# Altium PCB ovo.pcbdoc (part 2 of 3)
Units mil, origin at the board's own origin, x right, y up, seen from the top; angles counter-clockwise.
Board outline 8690 x 8044.71 mil, 6 copper layers (Top Layer, Inner1, Inner2, Inner3, 内层4, Bottom Layer); 83 components, 122 nets, 754 pads, 365 vias.
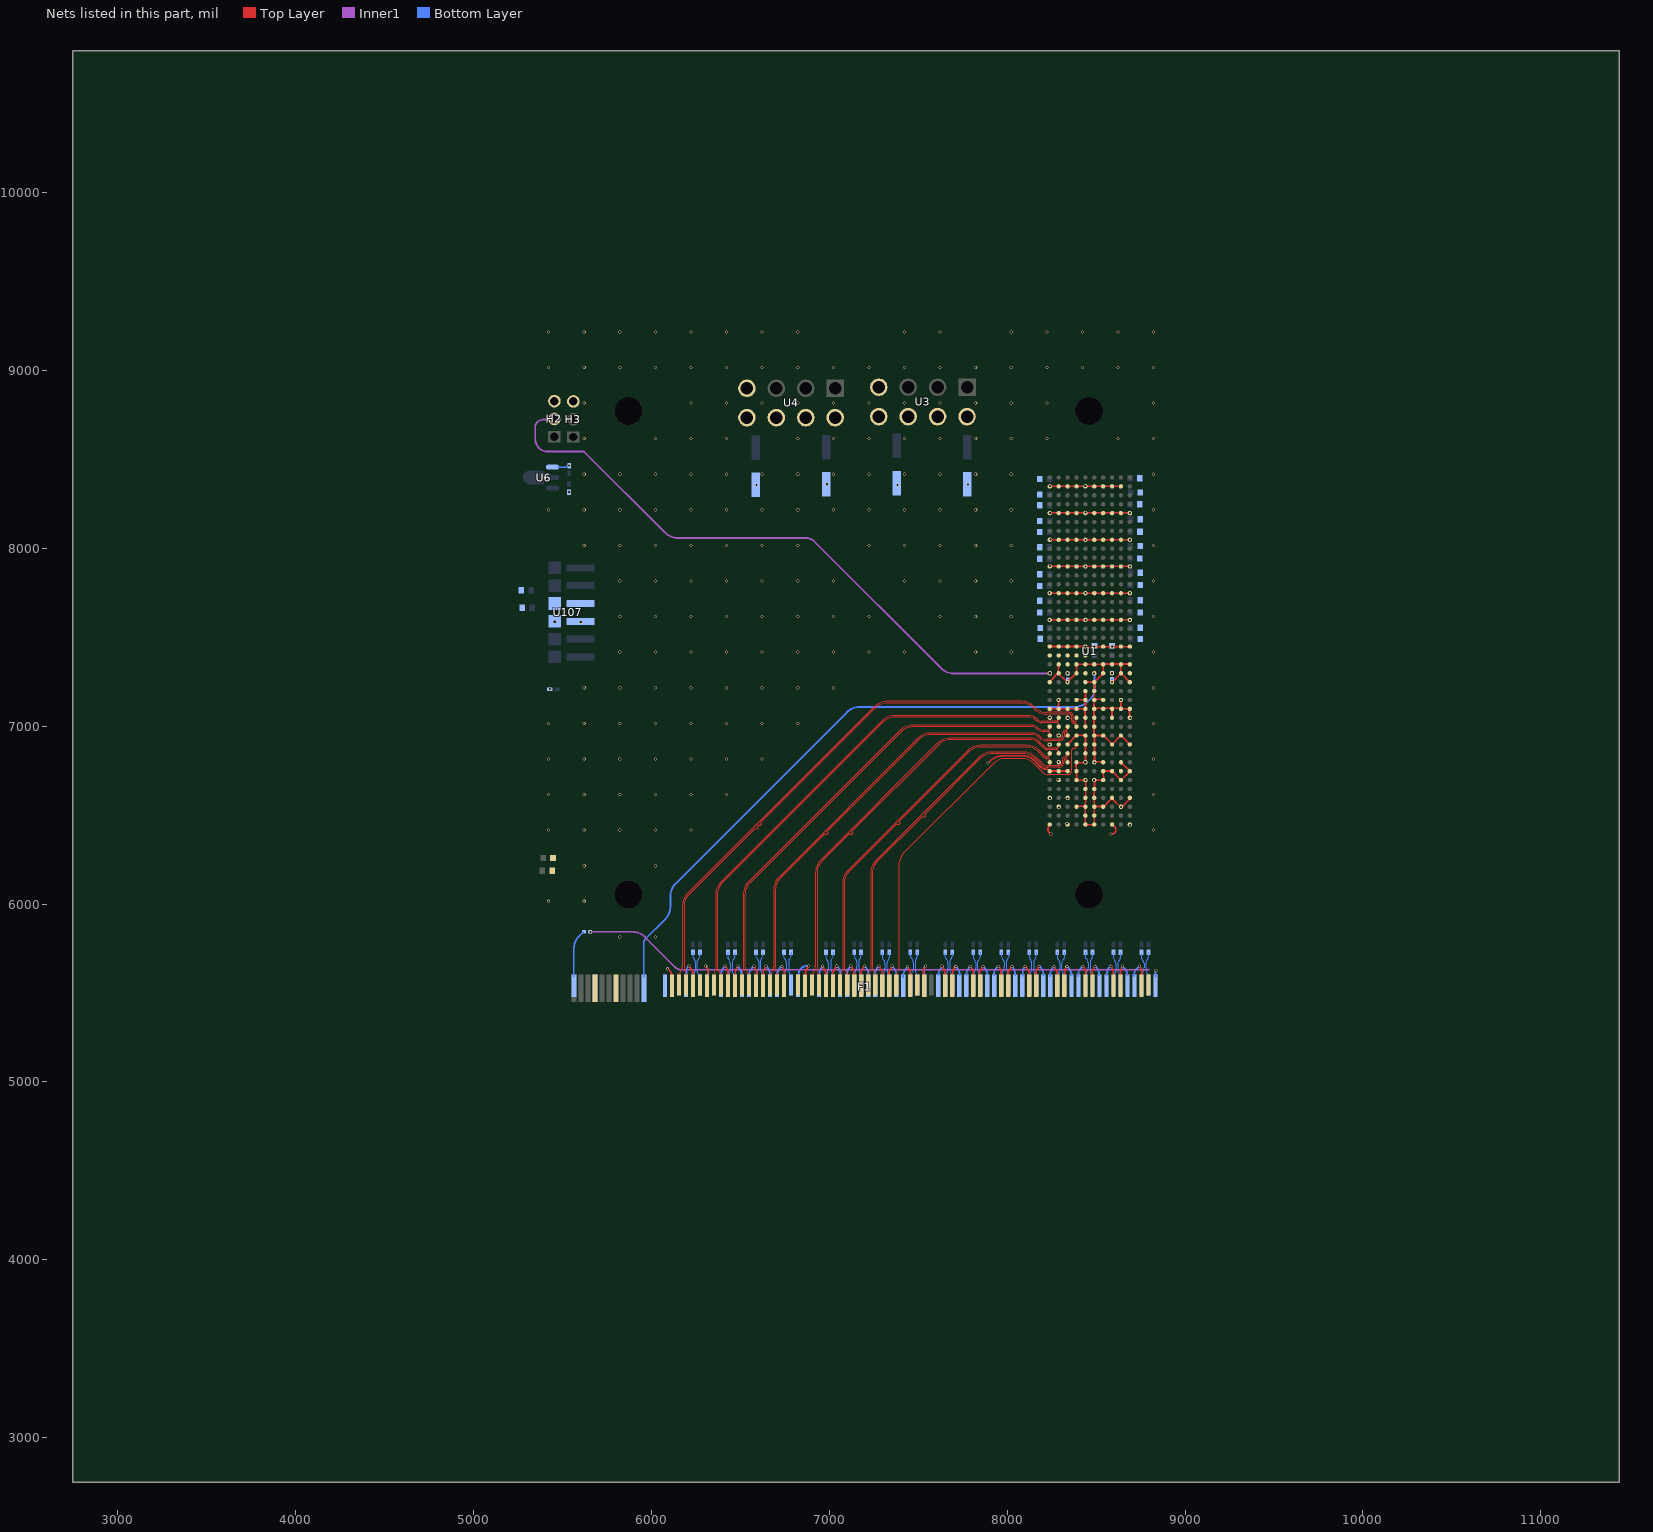
[diagram p5: the nets of this part, all layers, seen from the top]

## Via types
v1: diameter 17.7, hole 11.8, Top Layer to Bottom Layer, 365 vias

## Nets (pads, with @x,y where several pads share a name; then routed paths per layer and width w, separated by ;. In a path a pad name is that pad's centre, name@x,y a point inside that pad or via, vN(x,y) a via of type N, cw(c..) or ccw(c..) an arc to the next point about the centre after c; other vN are vias at no path point) (continued)
GND: C75.2 C77.2 C102.1 C103.1 C104.2 C105.2 C106.2 C107.2 C108.2 C109.2 C110.2 C111.2 C112.1 C113.1 F1.A4 F1.A12 F1.A15 F1.A18 F1.A20 F1.A23 F1.A24 F1.A27 F1.A28 F1.A31 F1.A34 F1.A37 F1.A38 F1.A41 F1.A42 F1.A45 F1.A46 F1.A49 F1.A51 F1.A54 F1.A55 F1.A58 F1.A59 F1.A62 F1.A63 F1.A66 F1.A67 F1.A70 F1.A71 F1.A74 F1.A75 F1.A78 F1.A79 F1.A82 F1.B4 F1.B7 F1.B13 F1.B16 F1.B18 F1.B21 F1.B22 F1.B25 F1.B26 F1.B29 F1.B32 F1.B35 F1.B36 F1.B39 F1.B40 F1.B43 F1.B44 F1.B47 F1.B49 F1.B52 F1.B53 F1.B56 F1.B57 F1.B60 F1.B61 F1.B64 F1.B65 F1.B68 F1.B69 F1.B72 F1.B73 F1.B76 F1.B77 F1.B80 H2.3 H3.3 R11.2 R12.2 U1.A1 U1.A4 U1.A7 U1.A10 U1.A13 U1.A14 U1.A17 U1.A21 U1.A24 U1.A27 U1.A30 U1.A33 U1.A36 U1.A39 U1.B3 U1.B6 U1.B7 U1.B8 U1.B11 U1.B14 U1.B15 U1.B18 U1.B19 U1.B21 U1.B24 U1.B27 U1.B30 U1.B33 U1.B36 U1.B39 U1.C1 U1.C4 U1.C7 U1.C10 U1.C13 U1.C14 U1.C17 U1.C21 U1.C24 U1.C27 U1.C30 U1.C33 U1.C36 U1.C39 U1.D3 U1.D6 U1.D7 U1.D8 U1.D11 U1.D14 U1.D15 U1.D18 U1.D19 U1.D21 U1.D24 U1.D27 U1.D30 U1.D33 U1.D36 U1.D39 U1.E1 U1.E2 U1.E3 U1.E4 U1.E5 U1.E6 U1.E8 U1.E9 U1.E10 U1.E11 U1.E12 U1.E13 U1.E14 U1.E15 U1.E16 U1.E17 U1.E19 U1.E21 U1.E24 U1.E27 U1.E30 U1.E33 U1.E36 U1.E39 U1.F1 U1.F2 U1.F3 U1.F4 U1.F5 U1.F6 U1.F8 U1.F9 U1.F10 U1.F11 U1.F12 U1.F13 U1.F14 U1.F15 U1.F16 U1.F17 U1.F19 U1.F21 U1.F24 U1.F27 U1.F30 U1.F33 U1.F36 U1.F39 U1.G3 U1.G6 U1.G7 U1.G8 U1.G11 U1.G14 U1.G15 U1.G18 U1.G19 U1.G21 U1.G24 U1.G27 U1.G30 U1.G33 U1.G36 U1.G39 U1.H1 U1.H4 U1.H7 U1.H10 U1.H13 U1.H14 U1.H17 U1.H19 U1.H21 U1.H24 U1.H27 U1.H30 U1.H33 U1.H36 U1.H39 U1.J3 U1.J6 U1.J8 U1.J11 U1.J14 U1.J15 U1.J18 U1.J19 U1.J21 U1.J24 U1.J27 U1.J30 U1.J33 U1.J36 U1.J39 U1.K1 U1.K4 U1.K7 U1.K10 U1.K13 U1.K14 U1.K17 U1.K19 U1.K21 U1.K24 U1.K27 U1.K30 U1.K33 U1.K36 U3.4 U3.5 U3.6 U3.7 U3.8 U4.4 U4.5 U4.6 U4.7 U4.8 U6.1 U107.3 U107.4 | length 12061.1
  Top Layer w10: v1@6096.55,5633.69 6103.38,5626.86 cw(c6072.3,5595.78) 6116.26,5595.78 F1.B13@6116.26,5592.92 ; v1@6210.68,5652.61 6214.75,5648.54 cw(c6161.47,5595.26) F1.B16@6236.83,5595.26 ; v1@6307.06,5650.66 cw(c6279.74,5623.34) 6318.37,5623.34 F1.B18@6318.37,5596.82 ; v1@6417.09,5650.66 cw(c6381.29,5614.87) 6431.92,5614.87 F1.B21@6431.92,5584.33 ; F1.B22@6473.28,5588.62 6473.28,5615.97 cw(c6521.24,5615.97) v1@6487.32,5649.88 ; v1@6576.29,5649.49 cw(c6538.61,5611.81) 6591.89,5611.81 F1.B25@6591.89,5590.96 ; F1.B26@6628.57,5597.6 6628.57,5604.47 cw(c6684.52,5604.47) v1@6644.96,5644.03 ; v1@6643.4,5642.86 6645.42,5644.88 ccw(c6642.75,5647.54) v1@6646.52,5647.54 ; v1@6735.48,5645.98 cw(c6706.28,5616.78) 6747.58,5616.78 F1.B29@6747.58,5596.04 ; F1.B32@6866.19,5595.65 6866.19,5605.38 cw(c6927.47,5605.38) v1@6884.14,5648.71 ; v1@6963.35,5647.15 cw(c6913.42,5597.23) 6984.03,5597.23 F1.B35@6984.03,5589.01 ; F1.B36@7020.32,5595.65 7020.32,5597.45 cw(c7092.25,5597.45) v1@7041.39,5648.32 ; v1@7120.98,5651.05 cw(c7074.83,5604.9) 7140.1,5604.9 F1.B39@7140.1,5592.53 ; F1.B40@7178.73,5596.04 7178.73,5605.77 cw(c7240.01,5605.77) v1@7196.68,5649.1 ; v1@7279.01,5650.27 cw(c7228.14,5599.41) 7300.08,5599.4 F1.B43@7300.08,5590.96 ; F1.B44@7336.36,5594.09 7336.36,5605.38 cw(c7397.64,5605.38) v1@7354.31,5648.71 ; v1@7438.2,5649.49 cw(c7392.99,5604.28) 7456.93,5604.28 F1.B47@7456.93,5596.04 ; F1.B49@7531.07,5592.53 7531.07,5626.33 cw(c7564.37,5626.33) v1@7540.82,5649.88 ; v1@7634.08,5649.88 cw(c7593.57,5609.38) 7650.85,5609.38 F1.B52@7650.85,5593.7 ; F1.B53@7694.55,5596.43 7694.55,5611.52 cw(c7743.84,5611.52) v1@7708.99,5646.37 ; v1@7793.27,5651.05 cw(c7751.82,5609.61) 7810.44,5609.61 F1.B56@7810.44,5597.6 ; F1.B57@7846.34,5596.04 7846.34,5603.66 cw(c7908.95,5603.66) v1@7864.67,5647.93 ; v1@7894.44,6792.39 7905.68,6803.63 cw(c7976.39,6732.92) 7976.39,6832.92 8092.52,6832.92 cw(c8092.52,6753.74) 8148.51,6809.73 8181.98,6776.26 ccw(c8228.82,6823.09) 8227.87,6756.87 U1.A7@8240.34,6744.4 ; v1@7953.64,5648.71 cw(c7923.49,5618.57) 7966.12,5618.57 F1.B60@7966.12,5593.7 ; F1.B61@8005.92,5594.09 8005.92,5602.49 cw(c8068.53,5602.49) v1@8024.26,5646.76 ; v1@8103.47,5649.1 8104.25,5648.31 cw(c8049.64,5593.7) F1.B64@8126.88,5593.7 ; F1.B65@8161.6,5592.92 8161.6,5604.05 cw(c8224.22,5604.05) v1@8179.94,5648.32 ; U1.A21@8234.48,7447.51 U1.E21@8440.08,7446.73 U1.K21@8693.92,7445.75 ; U1.A36@8238.45,8198.09 U1.K36@8693.21,8198.09 ; U1.A39@8238.45,8347.34 U1.J39@8640.53,8347.34 ; U1.A24@8239.03,7598.77 U1.K24@8691.45,7597.01 ; U1.A7@8239.17,6747.91 8336.14,6747.91 cw(c8336.14,6731.92) U1.C7@8347.45,6743.23 ; U1.A14@8239.23,7097.29 U1.B14@8288.98,7097.29 ; U1.A17@8239.23,7248.59 U1.B18@8285.83,7297.73 ; U1.A27@8239.62,7746.84 U1.K27@8692.03,7748.01 ; U1.A30@8240.79,7897.84 U1.K30@8692.03,7897.84 ; U1.A33@8240.79,8047.68 U1.K33@8688.52,8047.09 ; U1.A1@8240.86,6447.75 ccw(c8266.29,6422.31) 8230.32,6422.31 8230.32,6417.31 ccw(c8255.76,6417.31) 8237.77,6399.33 v1@8244.96,6392.15 ; v1@8262.66,5647.35 cw(c8213.21,5597.89) 8283.15,5597.89 F1.B68@8283.15,5592.92 ; U1.B18@8284.89,7298.63 U1.B18@8285.83,7297.73 ; U1.B18@8287.52,7299.5 U1.B19@8288.4,7346.91 ; U1.B14@8288.98,7102.56 U1.B15@8290.15,7153.48 ; U1.B14@8290.08,7097.29 8438.23,7097.29 U1.E12@8439.4,6997.21 ; F1.B69@8324.7,5594.09 8324.7,5619.33 cw(c8362.67,5619.33) v1@8335.82,5646.18 ; U1.C10@8341.66,6897.78 U1.D11@8388.48,6947.72 ; U1.D15@8387.6,7150.26 U1.E15@8436.76,7146.75 ; U1.D8@8387.7,6795.16 U1.D8@8387.75,6793.6 ; U1.D3@8388.93,6549.14 8426.62,6549.14 cw(c8426.62,6534.15) U1.E3@8437.21,6544.75 ; U1.D11@8390.82,6948.5 U1.E11@8441.15,6946.94 ; v1@8427.13,5649.1 cw(c8390.39,5612.36) 8442.34,5612.36 F1.B72@8442.34,5593.5 ; U1.E17@8438.52,7250.34 8487.77,7245.16 U1.F17@8487.68,7245.07 ; U1.E1@8439.98,6447.12 U1.E6@8442.32,6695.03 ; U1.E1@8440.76,6447.11 U1.F1@8489.54,6444.77 ; U1.E8@8440.76,6793.21 U1.D8@8387.75,6793.6 ; U1.E8@8440.76,6793.6 U1.E11@8441.54,6946.16 ; U1.E14@8441.15,7094.95 U1.E16@8441.15,7201.18 ; U1.E6@8442.32,6695.66 U1.E6@8442.32,6695.03 ; F1.B73@8478.04,5598.18 8478.04,5612.26 cw(c8526,5612.26) v1@8492.09,5646.18 ; U1.F8@8484.46,6798.54 U1.F8@8491.44,6798.63 ; U1.F15@8486.81,7151.14 U1.F15@8489.58,7151.05 ; U1.F17@8488.15,7245.51 U1.G18@8540.36,7295.12 ; U1.F14@8488.56,7100.22 U1.F14@8488.72,7100.22 ; U1.F3@8488.78,6547.32 U1.F3@8489.92,6547.32 ; U1.F4@8489.15,6595.77 U1.F5@8490.32,6645.33 ; U1.F14@8489.15,7097.29 U1.F8@8491.46,6798.63 ; U1.F15@8489.58,7151.09 U1.F17@8491.2,7247.71 ; U1.F4@8489.73,6596.73 U1.F3@8489.92,6547.32 ; U1.F1@8490.32,6444.77 U1.F2@8490.08,6496.73 U1.F3@8489.92,6547.32 ; U1.F11@8490.9,6947.17 8540.07,6947.75 U1.H10@8590.4,6899.18 ; U1.F5@8491.49,6648.06 U1.F6@8491.49,6695.54 ; U1.F6@8491.49,6696.05 U1.F6@8491.49,6695.54 ; U1.F8@8491.49,6795.29 U1.F8@8491.46,6798.63 ; U1.G3@8534.88,6547.32 U1.F3@8489.92,6547.32 ; U1.G3@8539.7,6543.8 8583.73,6587.83 ccw(c8572.74,6598.82) U1.H4@8588.28,6598.82 ; U1.G6@8540.26,6696.05 U1.F6@8491.49,6695.54 ; U1.G18@8540.36,7300.38 U1.G19@8540.36,7348.23 ; U1.G19@8540.36,7350.42 U1.G19@8540.36,7348.23 ; U1.G7@8540.39,6747.3 U1.G6@8543.51,6698.65 ; U1.G15@8541.24,7149.38 U1.F15@8489.58,7151.05 ; U1.G7@8542.47,6746.78 U1.H7@8591.38,6747.3 ; U1.G8@8542.99,6799.32 U1.F8@8491.46,6798.63 ; v1@8582.22,5648.52 cw(c8544.07,5610.37) 8598.03,5610.37 F1.B76@8598.03,5593.5 ; v1@8585.59,6394.49 8595.15,6394.49 ccw(c8595.15,6402.48) 8600.8,6396.83 8604.96,6400.99 ccw(c8590.97,6414.97) 8610.75,6414.97 ccw(c8575.43,6414.97) 8600.41,6439.95 U1.H1@8590.27,6450.09 ; U1.H17@8588.06,7245.24 ccw(c8588.06,7249) 8590.73,7246.34 U1.J18@8640.54,7296.16 ; U1.H4@8589.45,6598.82 ccw(c8603.58,6598.82) 8593.59,6588.83 U1.J3@8637.44,6544.97 ; U1.H14@8589.52,7098.46 U1.H13@8590.4,7049.3 ; U1.H7@8590.33,6747.04 8640.28,6696.05 8691.78,6746.52 U1.J8@8636.64,6799.84 ; U1.H10@8591.57,6896.83 U1.J11@8639.56,6948.92 ; F1.B77@8637.24,5592.92 8637.24,5622.6 cw(c8677.2,5622.6) v1@8648.95,5650.86 ; U1.J18@8638.4,7298.46 U1.J19@8638.4,7345.51 ; U1.J18@8639.18,7297.52 U1.J18@8640.54,7296.16 ; U1.J11@8639.56,6948.34 U1.K10@8690.48,6897.42 ; U1.J14@8639.56,7098.24 U1.F14@8488.72,7100.22 ; U1.J14@8639.56,7098.46 U1.J15@8640.44,7145.87 ; U1.J14@8640.44,7099.34 U1.K14@8691.36,7097.58 ; U1.J3@8640.96,6542.05 8686.22,6587.31 ccw(c8678.23,6595.31) U1.K4@8689.53,6595.31 ; U1.J18@8642.3,7297.91 U1.J18@8640.54,7296.16 ; U1.K13@8687.85,7046.67 U1.K14@8688.73,7096.71 ; U1.K17@8689.62,7247.07 U1.J18@8640.54,7296.16 ; U1.K17@8689.63,7247.07 cw(c8688.96,7246.41) U1.K17@8689.9,7246.41 ; U1.K19@8690.48,7348.67 U1.G19@8540.37,7348.23 ; v1@8742.59,5652.61 cw(c8705.85,5615.88) 8757.81,5615.88 F1.B80@8757.81,5593.5 ; U1.B18@8285.83,7297.73 8335.8,7250.34 8391.11,7295.99 8390.24,7347.79 U1.G19@8540.36,7348.23 ; U1.D8@8387.75,6793.6 8391.21,6694.49 U1.E6@8442.32,6695.03 ; U1.F14@8488.72,7100.22 U1.F15@8489.58,7151.05
  Bottom Layer w10: U6.1@5475.76,8453.95 5505.89,8453.95 ccw(c5505.89,8499.91) C103.1@5538.39,8467.41 ; F1.A15@6198.35,5597.92 6198.35,5624.67 cw(c6238.31,5624.67) v1@6210.05,5652.93 ; v1@6307.21,5653.52 cw(c6280.36,5626.67) 6318.33,5626.67 F1.A18@6318.33,5597.33 ; F1.A20@6390.9,5594.41 cw(c6470.03,5594.41) 6414.08,5650.36 v1@6414.31,5650.59 ; v1@6488.06,5648.84 cw(c6435.78,5596.56) 6509.71,5596.56 F1.A23@6509.71,5588.55 ; F1.A24@6549.51,5596.16 cw(c6613.1,5596.16) 6568.14,5641.12 v1@6578.78,5651.76 ; v1@6646.08,5652.35 cw(c6592.39,5598.65) 6668.32,5598.65 F1.A27@6668.32,5596.75 ; F1.A28@6707.54,5597.33 cw(c6776.77,5597.33) 6727.82,5646.29 v1@6733.29,5651.76 ; F1.A31@6829.86,5596.75 6829.86,5611.7 cw(c6865.83,5611.7) 6840.39,5637.13 cw(c6879.96,5597.57) 6879.96,5653.52 v1@6884.29,5653.52 ; F1.A34@6943.99,5600.9 cw(c7015.93,5600.9) v1@6965.06,5651.76 ; v1@7041.73,5655.27 cw(c6989.45,5602.99) 7063.39,5602.99 F1.A37@7063.39,5593.23 ; F1.A38@7100.84,5596.75 7100.84,5606.45 cw(c7160.79,5606.45) v1@7118.4,5648.84 ; v1@7201.51,5650.59 cw(c7156.29,5605.38) 7220.24,5605.38 F1.A41@7220.24,5597.92 ; F1.A42@7257.11,5595.58 7257.11,5598.07 cw(c7333.05,5598.07) v1@7279.35,5651.76 ; v1@7356.61,5648.25 cw(c7302.92,5594.56) 7378.85,5594.56 F1.A45@7378.85,5592.65 ; F1.A46@7415.14,5588.55 cw(c7491.44,5588.55) 7437.48,5642.51 v1@7441.47,5646.5 ; F1.A49@7533.36,5596.16 7533.36,5639.29 cw(c7549.35,5639.29) v1@7538.04,5650.59 ; F1.A51@7614.13,5600.26 cw(c7676.3,5600.26) 7632.34,5644.22 v1@7638.13,5650.01 ; v1@7710.7,5651.76 7713.18,5649.29 cw(c7661.22,5597.33) F1.A54@7734.7,5597.33 ; F1.A55@7771.57,5600.84 cw(c7842.22,5600.84) 7792.26,5650.8 v1@7794.98,5653.52 ; v1@7864.63,5650.59 7873.9,5641.32 cw(c7836.93,5604.36) 7889.21,5604.36 ; F1.A59@7926.08,5599.67 cw(c7991.08,5599.67) 7945.12,5645.63 v1@7950.66,5651.18 ; v1@8027.34,5650.01 cw(c7983.53,5606.2) 8045.48,5606.2 F1.A62@8045.48,5597.33 ; F1.A63@8087.62,5594.99 8087.62,5617.17 cw(c8131.58,5617.17) v1@8100.5,5648.25 ; v1@8183.02,5651.18 8183.15,5651.04 cw(c8131.2,5599.09) F1.A66@8204.67,5599.09 ; F1.A67@8240.96,5595.58 cw(c8315.85,5595.58) 8262.9,5648.53 v1@8263.2,5648.84 ; v1@8337.53,5650.01 8343.08,5644.46 cw(c8297.12,5598.5) F1.A70@8362.11,5598.5 ; v1@8339.99,7244.91 ccw(c8339.36,7245.54) 8340.25,7245.54 R12.2@8340.25,7257.92 ; F1.A71@8398.99,5594.99 cw(c8471.05,5594.99) 8420.09,5645.95 v1@8423.57,5649.42 ; v1@8495.56,5652.35 cw(c8441.86,5598.65) 8517.8,5598.65 F1.A74@8517.8,5597.92 ; F1.A75@8559.35,5597.92 8559.35,5598.76 cw(c8639.28,5598.76) v1@8582.76,5655.27 ; R11.2@8589.19,7263.64 8589.19,7248.51 ccw(c8590.96,7248.51) v1@8589.71,7247.25 ; v1@8645.97,5652.93 8659.03,5639.88 cw(c8617.06,5597.92) F1.A78@8676.41,5597.92 ; F1.A79@8712.69,5594.99 cw(c8774.87,5594.99) 8730.9,5638.95 v1@8742.54,5650.59 ; v1@8833.24,5628.37 cw(c8829.47,5624.6) 8834.8,5624.6 F1.A82@8834.8,5588.18
  other v1: 8835.58,5626.42 6091.93,5635.93 6734.46,5649.08 7793.44,5649.23 7866.02,5649.23 7950.73,5649.23 8027.41,5649.23 8263.27,5648.64 8335.85,5649.23 8426.56,5649.23 8493.87,5649.23 6577.6,5650.25 6644.91,5650.25 7440.89,5649.67 7540.97,5650.25 7634.83,5650.4 7712.09,5649.81 8101.74,5649.81 8180.16,5649.81 8582.83,5649.81 8647.8,5650.4 8743.78,5650.4 6415.48,5651.42 6488.06,5651.42 6884.87,5651.42 6963.3,5651.42 7042.9,5651.42 7121.91,5650.84 7198,5651.42 7280.52,5651.42 7354.85,5650.84 6306.62,5652.01 6212.39,5652.59 5823.8,5815.27 6023.8,5815.27 5423.8,6015.27 5623.8,6015.27 5623.8,6215.27 6023.8,6215.27 8245.54,6392.15 8585,6394.49 5423.8,6415.27 5623.8,6415.27 5823.8,6415.27 6023.8,6415.27 6223.8,6415.27 8823.8,6415.27 8690.94,6444.82 8335.8,6453.19 8291.55,6543.22 8639.78,6546.34 8340.71,6592.38 8242.38,6594.14 5423.8,6615.27 5623.8,6615.27 5823.8,6615.27 6023.8,6615.27 6223.8,6615.27 6423.8,6615.27 8823.8,6615.27 8487.85,6695.61 8441.02,6697.37 8284.82,6699.33 7892.69,6791.81 8491.36,6796.28 8289.44,6797.45 8439.27,6796.87 5423.8,6815.27 5623.8,6815.27 5823.8,6815.27 6023.8,6815.27 6223.8,6815.27 6423.8,6815.27 6623.8,6815.27 8823.8,6815.27 8239.1,6896.36 8290.61,6947.87 5423.8,7015.27 5623.8,7015.27 5823.8,7015.27 6023.8,7015.27 6223.8,7015.27 6423.8,7015.27 6623.8,7015.27 6823.8,7015.27 8823.8,7015.27 8340.94,7045.61 8693.86,7046.19 8239.69,7047.95 8288.85,7147.45 8640.6,7147.45 5430.88,7207.3 5623.8,7215.27 5823.8,7215.27 6023.8,7215.27 6223.8,7215.27 6423.8,7215.27 6623.8,7215.27 6823.8,7215.27 7023.8,7215.27 8823.8,7215.27 8339.73,7247.77 8590.23,7248.55 5823.8,7415.27 6023.8,7415.27 6223.8,7415.27 6423.8,7415.27 6623.8,7415.27 6823.8,7415.27 7023.8,7415.27 7223.8,7415.27 7423.8,7415.27 7823.8,7415.27 8023.8,7415.27 8823.8,7415.27 8440.3,7446.03 8491.38,7446.95 8591,7447.73 5604.63,7583.75 5458.66,7586.31 8439.71,7596.45 8690.21,7595.86 8239.55,7597.03 5823.8,7615.27 6023.8,7615.27 6223.8,7615.27 6423.8,7615.27 6623.8,7615.27 6823.8,7615.27 7023.8,7615.27 7223.8,7615.27 7623.8,7615.27 7823.8,7615.27 8023.8,7615.27 8823.8,7615.27 8440.3,7746.87 8690.21,7747.45 8237.79,7748.62 5823.8,7815.27 6023.8,7815.27 6223.8,7815.27 6423.8,7815.27 6623.8,7815.27 6823.8,7815.27 7023.8,7815.27 7423.8,7815.27 7623.8,7815.27 7823.8,7815.27 8023.8,7815.27 8823.8,7815.27 8439.71,7895.53 8690.8,7896.7 8241.89,7899.62 5623.8,8015.27 5823.8,8015.27 6023.8,8015.27 6223.8,8015.27 6423.8,8015.27 6623.8,8015.27 6823.8,8015.27 7223.8,8015.27 7423.8,8015.27 7623.8,8015.27 7823.8,8015.27 8023.8,8015.27 8823.8,8015.27 8441.47,8045.36 8690.21,8047.11 8243.06,8049.45 8690.8,8196.36 8242.48,8198.11 8441.47,8199.28 5423.8,8215.27 5623.8,8215.27 5823.8,8215.27 6023.8,8215.27 6223.8,8215.27 6423.8,8215.27 6623.8,8215.27 6823.8,8215.27 7023.8,8215.27 7223.8,8215.27 7423.8,8215.27 7623.8,8215.27 7823.8,8215.27 8023.8,8215.27 8823.8,8215.27 5539.63,8314.64 8241.31,8348.53 8439.13,8349.7 6592.54,8355.08 7384.64,8355.08 7779.7,8357.05 6987.6,8359.03 5623.8,8415.27 5823.8,8415.27 6023.8,8415.27 6223.8,8415.27 6423.8,8415.27 6623.8,8415.27 6823.8,8415.27 7023.8,8415.27 7223.8,8415.27 7423.8,8415.27 7623.8,8415.27 7823.8,8415.27 8023.8,8415.27 8823.8,8415.27 5539.04,8463.3 5623.8,8615.27 6023.8,8615.27 6223.8,8615.27 6423.8,8615.27 6823.8,8615.27 7023.8,8615.27 7223.8,8615.27 7423.8,8615.27 7623.8,8615.27 7823.8,8615.27 8023.8,8615.27 8223.8,8615.27 8623.8,8615.27 8823.8,8615.27 5623.8,8815.27 6223.8,8815.27 6423.8,8815.27 6623.8,8815.27 6823.8,8815.27 7023.8,8815.27 7223.8,8815.27 7423.8,8815.27 7623.8,8815.27 7823.8,8815.27 8023.8,8815.27 8223.8,8815.27 8823.8,8815.27 5423.8,9015.27 5623.8,9015.27 5823.8,9015.27 6023.8,9015.27 6223.8,9015.27 6423.8,9015.27 6623.8,9015.27 6823.8,9015.27 7023.8,9015.27 7223.8,9015.27 7423.8,9015.27 7623.8,9015.27 7823.8,9015.27 8023.8,9015.27 8223.8,9015.27 8423.8,9015.27 8623.8,9015.27 8823.8,9015.27 5423.8,9215.27 5623.8,9215.27 5823.8,9215.27 6023.8,9215.27 6223.8,9215.27 6423.8,9215.27 6623.8,9215.27 6823.8,9215.27 7423.8,9215.27 7623.8,9215.27 8023.8,9215.27 8223.8,9215.27 8423.8,9215.27 8623.8,9215.27 8823.8,9215.27
I2CADDR0: R11.1 U1.H18
  other v1: 8590.17,7296.67
I2CADDR1: R12.1 U1.C18
  other v1: 8339.15,7296.92
JTAG_SEL: U1.C19
JTAG_TCLK: U1.C20
JTAG_TDI: U1.E20
JTAG_TDO: U1.D20
JTAG_TMS: U1.B20
JTAG_TRST#: U1.A20
PCIET0+: C61.1 F1.A16 | length 137.5
  Bottom Layer w5: F1.A16@6232.53,5600.21 6237.7,5605.38 ccw(c6214.39,5628.69) 6247.36,5628.69 6247.36,5676.99 ccw(c6227.37,5676.99) 6241.5,5691.12 cw(c6260.34,5709.96) 6233.7,5709.96 C61.1@6233.7,5729.36
PCIET0-: C62.1 F1.A17 | length 136.5
  Bottom Layer w5: F1.A17@6271.55,5600.6 6265.55,5606.59 cw(c6286.87,5627.91) 6256.72,5627.91 6256.72,5670.49 cw(c6282.03,5670.49) 6264.14,5688.39 ccw(c6241.53,5710.99) 6273.5,5710.99 C62.1@6273.5,5727.8
PCIET1+: C1.1 F1.A21 | length 133.5
  Bottom Layer w5: C1.1@6431.13,5728.58 6431.13,5701.25 ccw(c6447.12,5701.25) 6435.82,5689.95 cw(c6411.32,5665.46) 6445.96,5665.46 6445.96,5634.57 cw(c6400.67,5634.57) F1.A21@6432.7,5602.55
PCIET1-: C2.1 F1.A22 | length 134.2
  Bottom Layer w5: F1.A22@6468.59,5598.64 cw(c6501.56,5631.61) 6454.94,5631.61 6454.94,5668.38 cw(c6481.58,5668.38) 6462.74,5687.22 ccw(c6443.9,5706.06) 6470.54,5706.06 C2.1@6470.54,5725.06
PCIET2+: C3.1 F1.A25 | length 131.9
  Bottom Layer w5: C3.1@6587.21,5725.84 6587.21,5717.88 ccw(c6624.51,5717.88) 6598.13,5691.51 cw(c6584,5677.38) 6603.99,5677.38 6603.99,5639.28 cw(c6552.03,5639.28) F1.A25@6588.77,5602.55
PCIET2-: C4.1 F1.A26 | length 127.1
  Bottom Layer w5: F1.A26@6626.23,5603.33 6626.11,5603.44 cw(c6654.08,5631.42) 6614.52,5631.42 6614.52,5681.93 cw(c6629.17,5681.93) 6618.81,5692.29 ccw(c6595.26,5715.84) 6628.57,5715.84 C4.1@6628.57,5723.5
PCIET3+: C5.1 F1.A29 | length 127.2
  Bottom Layer w5: C5.1@6742.76,5720.64 6742.76,5714.18 ccw(c6777.4,5714.18) 6752.91,5689.69 cw(c6737.21,5673.99) 6759.41,5673.99 6759.41,5634.16 cw(c6713.23,5634.16) F1.A29@6745.88,5601.51
PCIET3-: C6.1 F1.A30 | length 133.5
  Bottom Layer w5: F1.A30@6784.12,5602.29 6780.62,5605.79 cw(c6801.04,5626.22) 6772.16,5626.22 6772.16,5677.25 cw(c6784.59,5677.25) 6775.8,5686.05 ccw(c6749.42,5712.42) 6786.72,5712.42 C6.1@6786.72,5728.19
PCIET4+: C7.1 F1.A35 | length 127.1
  Bottom Layer w5: C7.1@6982.01,5721.1 6982.01,5700.27 ccw(c7003.32,5700.27) 6988.25,5685.2 cw(c6969.41,5666.36) 6996.06,5666.36 6996.06,5635.68 cw(c6950.76,5635.68) 6982.79,5603.65 F1.A35@6982.79,5601.31
PCIET4-: C8.1 F1.A36 | length 140.2
  Bottom Layer w5: C8.1@7022.98,5728.12 7022.98,5712.13 cw(c6984.35,5712.13) 7011.66,5684.81 ccw(c7018.26,5678.22) 7008.93,5678.22 7008.93,5637.6 ccw(c7052.26,5637.6) 7021.62,5606.96 F1.A36@7030,5598.58
PCIET5+: C9.1 F1.A39 | length 136
  Bottom Layer w5: F1.A39@7136.67,5600.12 7136.95,5600.39 ccw(c7090.99,5646.35) 7155.98,5646.35 7155.98,5674.46 ccw(c7132,5674.46) 7148.96,5691.42 cw(c7171.57,5714.03) 7139.6,5714.03 C9.1@7139.6,5726.54
PCIET5-: C10.1 F1.A40 | length 134
  Bottom Layer w5: C10.1@7178.81,5727.12 7178.81,5707.1 cw(c7150.83,5707.1) 7170.62,5687.32 ccw(c7181.92,5676.02) 7165.93,5676.02 7165.93,5632.61 ccw(c7211.89,5632.61) F1.A40@7179.39,5600.12
PCIET6+: C11.1 F1.A43 | length 135.3
  Bottom Layer w5: F1.A43@7297.62,5598.95 ccw(c7258.06,5638.51) 7314.01,5638.51 7314.01,5667.1 ccw(c7292.03,5667.1) 7307.57,5682.64 cw(c7327.35,5702.42) 7299.38,5702.42 C11.1@7299.38,5725.95
PCIET6-: C12.1 F1.A44 | length 141.4
  Bottom Layer w5: C12.1@7337.42,5727.12 7337.42,5699.74 cw(c7307.45,5699.74) 7328.64,5678.54 ccw(c7337.12,5670.07) 7325.13,5670.07 7325.13,5629.83 ccw(c7377.08,5629.83) F1.A44@7340.35,5593.09
PCIET7+: C13.1 F1.A47 | length 133.7
  Bottom Layer w5: C13.1@7454.47,5728.88 7454.47,5716.13 ccw(c7484.45,5716.13) 7463.25,5694.93 cw(c7442.06,5673.74) 7472.03,5673.74 7472.03,5631.3 cw(c7432.07,5631.3) F1.A47@7460.33,5603.04
PCIET7-: C14.1 F1.A48 | length 137.6
  Bottom Layer w5: F1.A48@7496.03,5596.41 cw(c7525.23,5625.61) 7483.93,5625.61 7483.93,5679.76 cw(c7501.25,5679.76) 7489.01,5692 ccw(c7472.05,5708.96) 7496.03,5708.96 C14.1@7496.03,5727.51
PCIET8+: C15.1 F1.A52 | length 132
  Bottom Layer w5: C15.1@7648.86,5724.69 7648.86,5713.94 ccw(c7680.83,5713.94) 7658.22,5691.33 cw(c7635.62,5668.73) 7667.59,5668.73 7667.59,5636.32 cw(c7623.79,5636.32) 7654.76,5605.34 F1.A52@7651.79,5602.37
PCIET8-: C16.1 F1.A53 | length 131.3
  Bottom Layer w5: C16.1@7691.58,5722.94 7691.58,5707.95 cw(c7665.61,5707.95) 7683.98,5689.58 ccw(c7698.11,5675.45) 7678.12,5675.45 7678.12,5632.22 ccw(c7717.69,5632.22) 7689.71,5604.25 F1.A53@7693.93,5600.03
PCIET9+: C17.1 F1.A56 | length 138.2
  Bottom Layer w5: F1.A56@7805.13,5599.08 7806.41,5600.36 ccw(c7767.11,5639.66) 7822.69,5639.66 7822.69,5671.18 ccw(c7802.7,5671.18) 7816.83,5685.31 cw(c7836.62,5705.09) 7808.64,5705.09 C17.1@7808.64,5728.62
PCIET9-: C18.1 F1.A57 | length 137.6
  Bottom Layer w5: C18.1@7848.83,5728.23 7848.83,5705.03 cw(c7818.19,5705.03) 7839.85,5683.36 ccw(c7854.93,5668.29) 7833.61,5668.29 7833.61,5638.64 ccw(c7889.56,5638.64) F1.A57@7850,5599.08
PCIET10+: C19.1 F1.A60 | length 138.4
  Bottom Layer w5: F1.A60@7963.93,5601.42 ccw(c7916.83,5648.52) 7983.44,5648.52 7983.44,5674.53 ccw(c7962.13,5674.53) 7977.2,5689.6 cw(c8001.69,5714.1) 7967.05,5714.1 C19.1@7967.05,5730.18
PCIET10-: C20.1 F1.A61 | length 131.3
  Bottom Layer w5: F1.A61@8008.8,5602.98 cw(c8038.01,5632.18) 7996.71,5632.18 7996.71,5677.68 cw(c8011.36,5677.68) 8001,5688.04 ccw(c7982.16,5706.88) 8008.8,5706.88 C20.1@8008.8,5727.84
PCIET11+: C21.1 F1.A64 | length 138.6
  Bottom Layer w5: F1.A64@8121.18,5597.13 ccw(c8082.56,5635.75) 8137.18,5635.75 8137.18,5674.76 ccw(c8114.53,5674.76) 8130.54,5690.77 cw(c8147.5,5707.73) 8123.52,5707.73 C21.1@8123.52,5727.84
PCIET11-: C22.1 F1.A65 | length 133.1
  Bottom Layer w5: F1.A65@8162.93,5601.42 cw(c8196.84,5635.33) 8148.88,5635.33 8148.88,5675.18 cw(c8164.87,5675.18) 8153.56,5686.48 ccw(c8128.13,5711.92) 8164.1,5711.92 C22.1@8164.1,5726.67
PCIET12+: C23.1 F1.A68 | length 133.9
  Bottom Layer w5: F1.A68@8282.13,5601.81 ccw(c8282.13,5602.75) 8282.79,5602.09 8284.86,5604.15 ccw(c8257.54,5631.47) 8296.18,5631.47 8296.18,5669.98 ccw(c8269.53,5669.98) 8288.37,5688.82 cw(c8301.56,5702.01) 8282.91,5702.01 C23.1@8282.91,5727.84
PCIET12-: C24.1 F1.A69 | length 140
  Bottom Layer w5: C24.1@8321.54,5728.62 8321.54,5697.46 cw(c8308.22,5697.46) 8317.64,5688.04 ccw(c8346.84,5658.84) 8305.54,5658.84 8305.54,5637.32 ccw(c8355.47,5637.32) 8320.16,5602.02 F1.A69@8323.88,5598.3
PCIET13+: C25.1 F1.A72 | length 136.6
  Bottom Layer w5: F1.A72@8438.98,5601.42 ccw(c8399.42,5640.99) 8455.37,5640.99 8455.37,5668.49 ccw(c8426.06,5668.49) 8446.79,5689.21 cw(c8464.68,5707.11) 8439.37,5707.11 C25.1@8439.37,5729.4
PCIET13-: C26.1 F1.A73 | length 135.8
  Bottom Layer w5: F1.A73@8478.78,5599.08 cw(c8508.93,5629.22) 8466.3,5629.22 8466.3,5672 cw(c8495.6,5672) 8474.88,5692.73 ccw(c8465.46,5702.15) 8478.78,5702.15 C26.1@8478.78,5728.23
PCIET14+: C27.1 F1.A76 | length 144.1
  Bottom Layer w5: F1.A76@8590.52,5593.57 8602.76,5605.81 ccw(c8581.45,5627.13) 8611.59,5627.13 8611.59,5665.9 ccw(c8590.28,5665.9) 8605.35,5680.97 cw(c8626.07,5701.69) 8596.76,5701.69 C27.1@8596.76,5726.23
PCIET14-: C28.1 F1.A77 | length 130.8
  Bottom Layer w5: F1.A77@8632.66,5603.32 cw(c8660.92,5631.58) 8620.96,5631.58 8620.96,5661.81 cw(c8650.26,5661.81) 8629.54,5682.53 ccw(c8614.47,5697.6) 8635.78,5697.6 C28.1@8635.78,5727.01
PCIET15+: C29.1 F1.A80 | length 130.8
  Bottom Layer w5: F1.A80@8751.78,5599.67 ccw(c8708.45,5643) 8769.73,5643 8769.73,5667.15 ccw(c8747.08,5667.15) 8763.09,5683.17 cw(c8785.7,5705.77) 8753.73,5705.77 C29.1@8753.73,5721.4
PCIET15-: C30.1 F1.A81 | length 138.2
  Bottom Layer w5: C30.1@8793.92,5728.82 8793.92,5700.97 cw(c8772.6,5700.97) 8787.67,5685.9 ccw(c8808.4,5665.17) 8779.09,5665.17 8779.09,5638.29 ccw(c8829.96,5638.29) 8793.99,5602.33 F1.A81@8796.65,5599.67
PERST#: F1.A11 U1.F18 | length 3488.5
  Bottom Layer w10: F1.A11@5958.23,5589.68 5958.23,5780.7 cw(c5990.2,5780.7) 5967.59,5803.3 6078.77,5914.48 ccw(c6008.06,5985.19) 6108.06,5985.19 6108.06,6043.99 cw(c6208.06,6043.99) 6137.35,6114.7 7101.25,7078.6 cw(c7171.96,7007.88) 7171.96,7107.89 8381.41,7107.89 ccw(c8381.41,7207.89) 8452.12,7137.17 8471.61,7156.67 ccw(c8422.65,7205.63) 8491.89,7205.63 8491.89,7277.53 ccw(c8471.91,7277.53) v1@8486.04,7291.66
  other v1: 8489.55,7295.76
PRSNT1: F1.A1 R5.1 | length 271.1
  Bottom Layer w10: F1.A1@5565.62,5591.87 5565.62,5748.85 cw(c5665.62,5748.85) 5594.91,5819.56 R5.1@5620.05,5844.7
PRSNT2: F1.B17 F1.B31 F1.B48 F1.B81 R5.2 | length 3220.2
  Inner1 w10: v1@5659.31,5843.9 5894.14,5843.9 cw(c5894.14,5743.9) 5964.85,5814.61 6133.97,5645.49 ccw(c6170.71,5682.23) 6170.71,5630.27 8797.56,5630.27
  other v1: 5658.68,5843.83
PRSNT2#_SXM: U1.J7
PWR_BRAKE#: U1.E18
PWR_EN: H2.2 U1.A18 | length 3626.7
  Inner1 w10: H2.2@5440.99,8722.48 5397.49,8722.48 ccw(c5397.49,8668.53) 5359.34,8706.68 ccw(c5384.77,8681.25) 5348.81,8681.25 5348.81,8616.05 ccw(c5426.74,8616.05) 5371.63,8560.95 ccw(c5416.14,8605.46) 5416.14,8542.51 5622.72,8542.51 6078.91,8086.31 ccw(c6149.62,8157.02) 6149.62,8057.02 6869.51,8057.02 cw(c6869.51,7989.58) 6917.2,8037.27 7630.19,7324.28 ccw(c7700.9,7394.99) 7700.9,7294.99 v1@8247.68,7294.99
  other v1: 8240.04,7296.88
PWR_GOOD: U1.K18
RX0+: F1.B14 U1.D13 | length 3185.1
  Top Layer w5.2: F1.B14@6149.31,5596.12 cw(c6160.61,5596.12) 6152.62,5604.12 6160.07,5611.57 ccw(c6121.63,5650.01) 6175.99,5650.01 6175.99,5989.16 cw(c6275.99,5989.16) 6205.28,6059.87 7254.19,7108.79 cw(c7324.91,7038.08) 7324.91,7138.08 8086.21,7138.08 cw(c8086.21,7047.7) 8150.12,7111.6 8158.64,7103.09 ccw(c8222.84,7167.29) 8222.84,7076.49 8231.35,7076.49 ; 8231.35,7076.83 ccw(c8251.91,7076.83) 8231.35,7076.49 ; U1.D13@8390.08,7046.73 8390.08,7032.69 cw(c8380.62,7032.69) 8380.62,7023.23 cw(c8380.62,7032.34) 8371.52,7032.34 8371.52,7056.27 ccw(c8351.29,7056.27) 8351.29,7076.49 8231.35,7076.49
RX0-: F1.B15 U1.D12 | length 3184.6
  Top Layer w5.2: F1.B15@6200.81,5597.68 6200.81,5597.92 ccw(c6183.5,5597.92) 6195.74,5610.17 cw(c6221.2,5635.63) 6185.19,5635.63 6185.19,5989.16 cw(c6275.99,5989.16) 6211.79,6053.37 6579.76,6421.34 6584.96,6421.34 6587.43,6418.86 6592.63,6418.86 6598.04,6424.27 6598.04,6429.47 6595.56,6431.94 6595.56,6437.14 6600.97,6442.55 6606.17,6442.55 6608.64,6440.08 6613.84,6440.08 6619.25,6445.48 6619.25,6450.68 6616.78,6453.16 6616.78,6458.36 7260.7,7102.28 cw(c7324.91,7038.08) 7324.91,7128.88 8086.21,7128.88 cw(c8086.21,7047.7) 8143.61,7105.1 8152.13,7096.58 ccw(c8222.84,7167.29) 8222.84,7067.29 8351.29,7067.29 cw(c8351.29,7056.27) 8362.32,7056.27 8362.32,7032.34 ccw(c8380.62,7032.34) 8380.62,7014.03 ccw(c8380.62,7032.7) 8380.88,7014.03 ; 8380.88,7013.87 cw(c8380.88,7004.67) 8390.08,7004.67 U1.D12@8390.08,6996.73
RX1+: F1.B19 U1.B13 | length 2835.7
  Top Layer w5.2: F1.B19@6350.64,5603.15 ccw(c6323.69,5630.1) 6361.81,5630.1 6361.81,6051.61 cw(c6461.81,6051.61) 6391.1,6122.32 7298.23,7029.44 cw(c7368.94,6958.73) 7368.94,7058.73 8120.15,7058.73 cw(c8120.15,6985.85) 8171.69,7037.39 8172.29,7036.79 ccw(c8194.13,7058.63) 8194.13,7027.74 8275.01,7027.74 ccw(c8275.01,7027.88) 8275.11,7027.78 cw(c8275.21,7027.68) 8275.21,7027.82 8280.35,7027.82 ccw(c8280.35,7037.55) 8290.08,7037.55 U1.B13@8290.08,7046.73
RX1-: F1.B20 U1.B12 | length 2833.4
  Top Layer w5.2: F1.B20@6394.74,5598.46 ccw(c6378.72,5598.46) 6390.05,5609.79 6383.43,5616.4 cw(c6413.42,5646.39) 6371.01,5646.39 6371.01,6051.61 cw(c6461.81,6051.61) 6397.61,6115.81 7304.73,7022.94 cw(c7368.94,6958.73) 7368.94,7049.53 8120.15,7049.53 cw(c8120.15,6985.85) 8165.19,7030.88 8165.79,7030.28 ccw(c8194.13,7058.63) 8194.13,7018.54 8275.88,7018.54 cw(c8275.88,7018.4) 8275.98,7018.5 ccw(c8276.08,7018.6) 8276.08,7018.46 8281.22,7018.46 cw(c8281.22,7009.59) 8290.08,7009.59 U1.B12@8290.08,6996.73
RX2+: F1.B23 U1.A12 | length 2610.3
  Top Layer w5.2: F1.B23@6505.94,5600.81 6505.94,5602.82 cw(c6508.6,5602.82) 6506.72,5604.71 ccw(c6479.56,5631.87) 6517.97,5631.87 6517.97,6053.25 cw(c6617.97,6053.25) 6547.26,6123.96 7398.53,6975.23 cw(c7469.24,6904.52) 7469.24,7004.52 8142.32,7004.52 cw(c8142.32,6961.84) 8172.5,6992.02 8173.17,6991.35 ccw(c8207.31,7025.49) 8207.31,6977.21 8225.26,6977.21 ccw(c8225.26,6977.71) 8225.62,6977.36 cw(c8225.97,6977) 8225.97,6977.51 8230.97,6977.51 ccw(c8230.97,6986.62) 8240.08,6986.62 U1.A12@8240.08,6996.73
RX2-: F1.B24 U1.A11 | length 2605.5
  Top Layer w5.2: F1.B24@6552.37,5597.68 ccw(c6538.24,5597.68) 6548.23,5607.67 6542.29,5613.62 cw(c6578.79,5650.12) 6527.17,5650.12 6527.17,6053.25 cw(c6617.97,6053.25) 6553.76,6117.46 7405.03,6968.73 cw(c7469.24,6904.52) 7469.24,6995.32 8142.32,6995.32 cw(c8142.32,6961.84) 8165.99,6985.52 8166.66,6984.85 ccw(c8207.31,7025.49) 8207.31,6968.01 8226.19,6968.01 cw(c8226.19,6967.51) 8226.54,6967.87 ccw(c8226.9,6968.22) 8226.9,6967.72 8231.89,6967.72 cw(c8231.89,6959.53) 8240.08,6959.53 U1.A11@8240.08,6946.73
RX3+: F1.B27 U1.C12 | length 2581.6
  Top Layer w5.2: F1.B27@6665.91,5596.51 cw(c6675.33,5596.51) 6668.67,5603.17 6671.17,5605.67 ccw(c6626.81,5650.04) 6689.55,5650.04 6689.55,6080.71 cw(c6789.55,6080.71) 6718.84,6151.42 7498.75,6931.34 cw(c7569.46,6860.63) 7569.46,6960.63 8142.6,6960.63 cw(c8142.6,6904.07) 8182.59,6944.07 8183.2,6943.46 ccw(c8224.46,6984.73) 8224.46,6926.37 8295.01,6926.37 ccw(c8295.01,6942.48) 8311.12,6942.48 cw(c8320.31,6943.02) 8311.11,6943.02 8311.11,6954.66 cw(c8333.24,6954.66) 8332.84,6976.79 ; 8332.89,6976.84 ccw(c8332.89,6984.04) 8340.08,6984.04 U1.C12@8340.08,6996.73
RX3-: F1.B28 U1.C11 | length 2580.7
  Top Layer w5.2: F1.B28@6710.39,5596.51 6710.39,5599.67 ccw(c6701.07,5599.67) 6707.66,5606.27 cw(c6729.19,5627.79) 6698.75,5627.79 6698.75,6080.71 cw(c6789.55,6080.71) 6725.34,6144.92 6973.07,6392.65 6978.27,6392.65 6981.76,6389.16 6986.96,6389.16 6992.36,6394.57 6992.36,6399.77 6988.88,6403.25 6988.88,6408.45 7505.26,6924.84 cw(c7569.46,6860.63) 7569.46,6951.43 8142.6,6951.43 cw(c8142.6,6904.07) 8176.09,6937.56 8176.69,6936.96 ccw(c8224.46,6984.73) 8224.46,6917.17 8295.01,6917.17 ccw(c8295.01,6942.48) 8320.32,6942.48 ccw(c8311.12,6942.48) 8320.31,6943.02 8320.31,6954.66 cw(c8333.24,6954.66) 8333.24,6967.6 cw(c8333.24,6960.75) 8340.08,6960.75 U1.C11@8340.08,6946.73
RX4+: F1.B33 U1.B10 | length 2316.3
  Top Layer w5.2: F1.B33@6900.8,5596.9 cw(c6911.17,5596.9) 6903.84,5604.23 6905.1,5605.49 ccw(c6861.29,5649.3) 6923.24,5649.3 6923.24,6175.81 cw(c7023.24,6175.81) 6952.53,6246.52 7608.3,6902.29 cw(c7679.01,6831.58) 7679.01,6931.58 8132.32,6931.58 cw(c8132.32,6857.72) 8184.55,6909.95 8213.22,6881.27 ccw(c8227.78,6895.83) 8227.78,6875.24 8273.83,6875.24 ; 8273.99,6875.3 8279.14,6875.3 ccw(c8278.56,6886.81) 8290.08,6886.81 U1.B10@8290.08,6896.73
RX4-: F1.B34 U1.B9 | length 2316.5
  Top Layer w5.2: F1.B34@6948.02,5596.9 ccw(c6938.6,5596.9) 6945.26,5603.56 6942.94,5605.88 cw(c6968.3,5631.23) 6932.44,5631.23 6932.44,6175.81 cw(c7023.24,6175.81) 6959.04,6240.01 7112.6,6393.58 7117.8,6393.58 7122.22,6389.16 7127.42,6389.16 7132.83,6394.57 7132.83,6399.77 7128.41,6404.19 7128.41,6409.39 7614.81,6895.78 cw(c7679.01,6831.58) 7679.01,6922.38 8132.32,6922.38 cw(c8132.32,6857.72) 8178.04,6903.44 8206.72,6874.76 ccw(c8227.78,6895.83) 8227.78,6866.04 8273.53,6866.04 ; 8273.68,6865.98 8278.83,6865.98 cw(c8278.43,6854.33) 8290.08,6854.33 U1.B9@8290.08,6846.73
RX5+: F1.B37 U1.A9 | length 2064.7
  Top Layer w5.2: F1.B37@7057.27,5595.73 cw(c7067.63,5595.73) 7060.3,5603.06 7062.34,5605.1 ccw(c7029.76,5637.68) 7075.84,5637.68 7075.84,6117.67 cw(c7175.84,6117.67) 7105.13,6188.38 7778.73,6861.98 cw(c7849.44,6791.27) 7849.44,6891.27 8112.01,6891.27 cw(c8112.01,6791.27) 8182.72,6861.98 8215.1,6829.6 ccw(c8222.43,6836.93) 8222.43,6826.57 8223.12,6826.56 ccw(c8223.12,6827.09) 8223.49,6826.72 cw(c8223.86,6826.35) 8223.86,6826.87 8228.85,6826.87 ccw(c8228.85,6838.11) 8240.08,6838.11 U1.A9@8240.08,6846.73
RX5-: F1.B38 U1.A8 | length 2064.3
  Top Layer w5.2: F1.B38@7107.6,5596.9 ccw(c7093.47,5596.9) 7103.46,5606.89 7099.41,5610.95 cw(c7134.11,5645.65) 7085.04,5645.65 7085.04,6117.67 cw(c7175.84,6117.67) 7111.63,6181.87 7377.75,6447.99 7382.95,6447.99 7385.45,6445.49 7390.65,6445.49 7396.06,6450.9 7396.06,6456.1 7393.56,6458.6 7393.56,6463.8 7785.23,6855.47 cw(c7849.44,6791.27) 7849.44,6882.07 8112.01,6882.07 cw(c8112.01,6791.27) 8176.22,6855.47 8208.6,6823.09 ccw(c8222.43,6836.93) 8222.43,6817.37 8223.55,6817.36 cw(c8223.55,6816.84) 8223.92,6817.21 ccw(c8224.29,6817.58) 8224.29,6817.06 8229.27,6817.06 cw(c8229.27,6806.25) 8240.08,6806.25 U1.A8@8240.08,6796.73
RX6+: F1.B41 U1.C9 | length 2059.7
  Top Layer w5.2: F1.B41@7220.51,5594.15 7220.51,5603.03 cw(c7224.51,5603.03) 7221.68,5605.85 ccw(c7193.87,5633.66) 7233.2,5633.66 7233.2,6172.32 cw(c7333.2,6172.32) 7262.49,6243.03 7843.91,6824.45 cw(c7914.62,6753.74) 7914.62,6853.74 8092.52,6853.74 cw(c8092.52,6753.74) 8163.23,6824.45 8196.7,6790.98 ccw(c8228.82,6823.09) 8228.82,6777.68 8291.29,6777.68 ccw(c8291.29,6796.46) 8310.07,6796.46 8310.07,6808.65 cw(c8328.29,6808.65) 8328.29,6826.87 ccw(c8328.29,6838.66) 8340.08,6838.66 U1.C9@8340.08,6846.73
RX6-: F1.B42 U1.C8 | length 2060.2
  Top Layer w5.2: F1.B42@7267.33,5591.22 ccw(c7250.38,5591.22) 7262.37,5603.21 7257.38,5608.19 cw(c7293.56,5644.36) 7242.4,5644.36 7242.4,6172.32 cw(c7333.2,6172.32) 7269,6236.52 7521.29,6488.81 7526.49,6488.81 7528.36,6486.94 7533.56,6486.94 7538.97,6492.35 7538.97,6497.55 7537.1,6499.42 7537.1,6504.62 7850.42,6817.94 cw(c7914.62,6753.74) 7914.62,6844.54 8092.52,6844.54 cw(c8092.52,6753.74) 8156.73,6817.94 8190.2,6784.47 ccw(c8228.82,6823.09) 8228.82,6768.48 8291.29,6768.48 ccw(c8291.29,6796.46) 8319.27,6796.46 8319.94,6804.51 cw(c8331.3,6804.51) 8331.3,6815.87 cw(c8329.8,6805.7) 8340.08,6805.7 U1.C8@8340.08,6796.73
RX7+: F1.B45 U1.D10 | length 2068.1
  Top Layer w5.2: F1.B45@7374.44,5597.07 cw(c7388.57,5597.07) 7378.58,5607.07 7379.12,5607.61 ccw(c7349.37,5637.36) 7391.45,5637.36 7391.45,6216.87 cw(c7491.45,6216.87) 7420.74,6287.58 7921.16,6788 cw(c7991.87,6717.29) 7991.87,6817.29 8081.82,6817.29 cw(c8081.82,6717.29) 8152.53,6788 8202.18,6738.35 ccw(c8230.97,6767.14) 8230.97,6726.43 8340.39,6726.43 ccw(c8340.39,6746.68) 8360.65,6746.68 8360.65,6768.36 ccw(c8360.34,6768.36) 8360.56,6768.58 cw(c8360.77,6768.8) 8360.47,6768.8 8360.47,6856.06 cw(c8379.51,6856.06) 8379.51,6875.1 ccw(c8379.51,6885.67) 8390.08,6885.67 U1.D10@8390.08,6896.73